# KiCad board sizif128.kicad_pcb (continued)
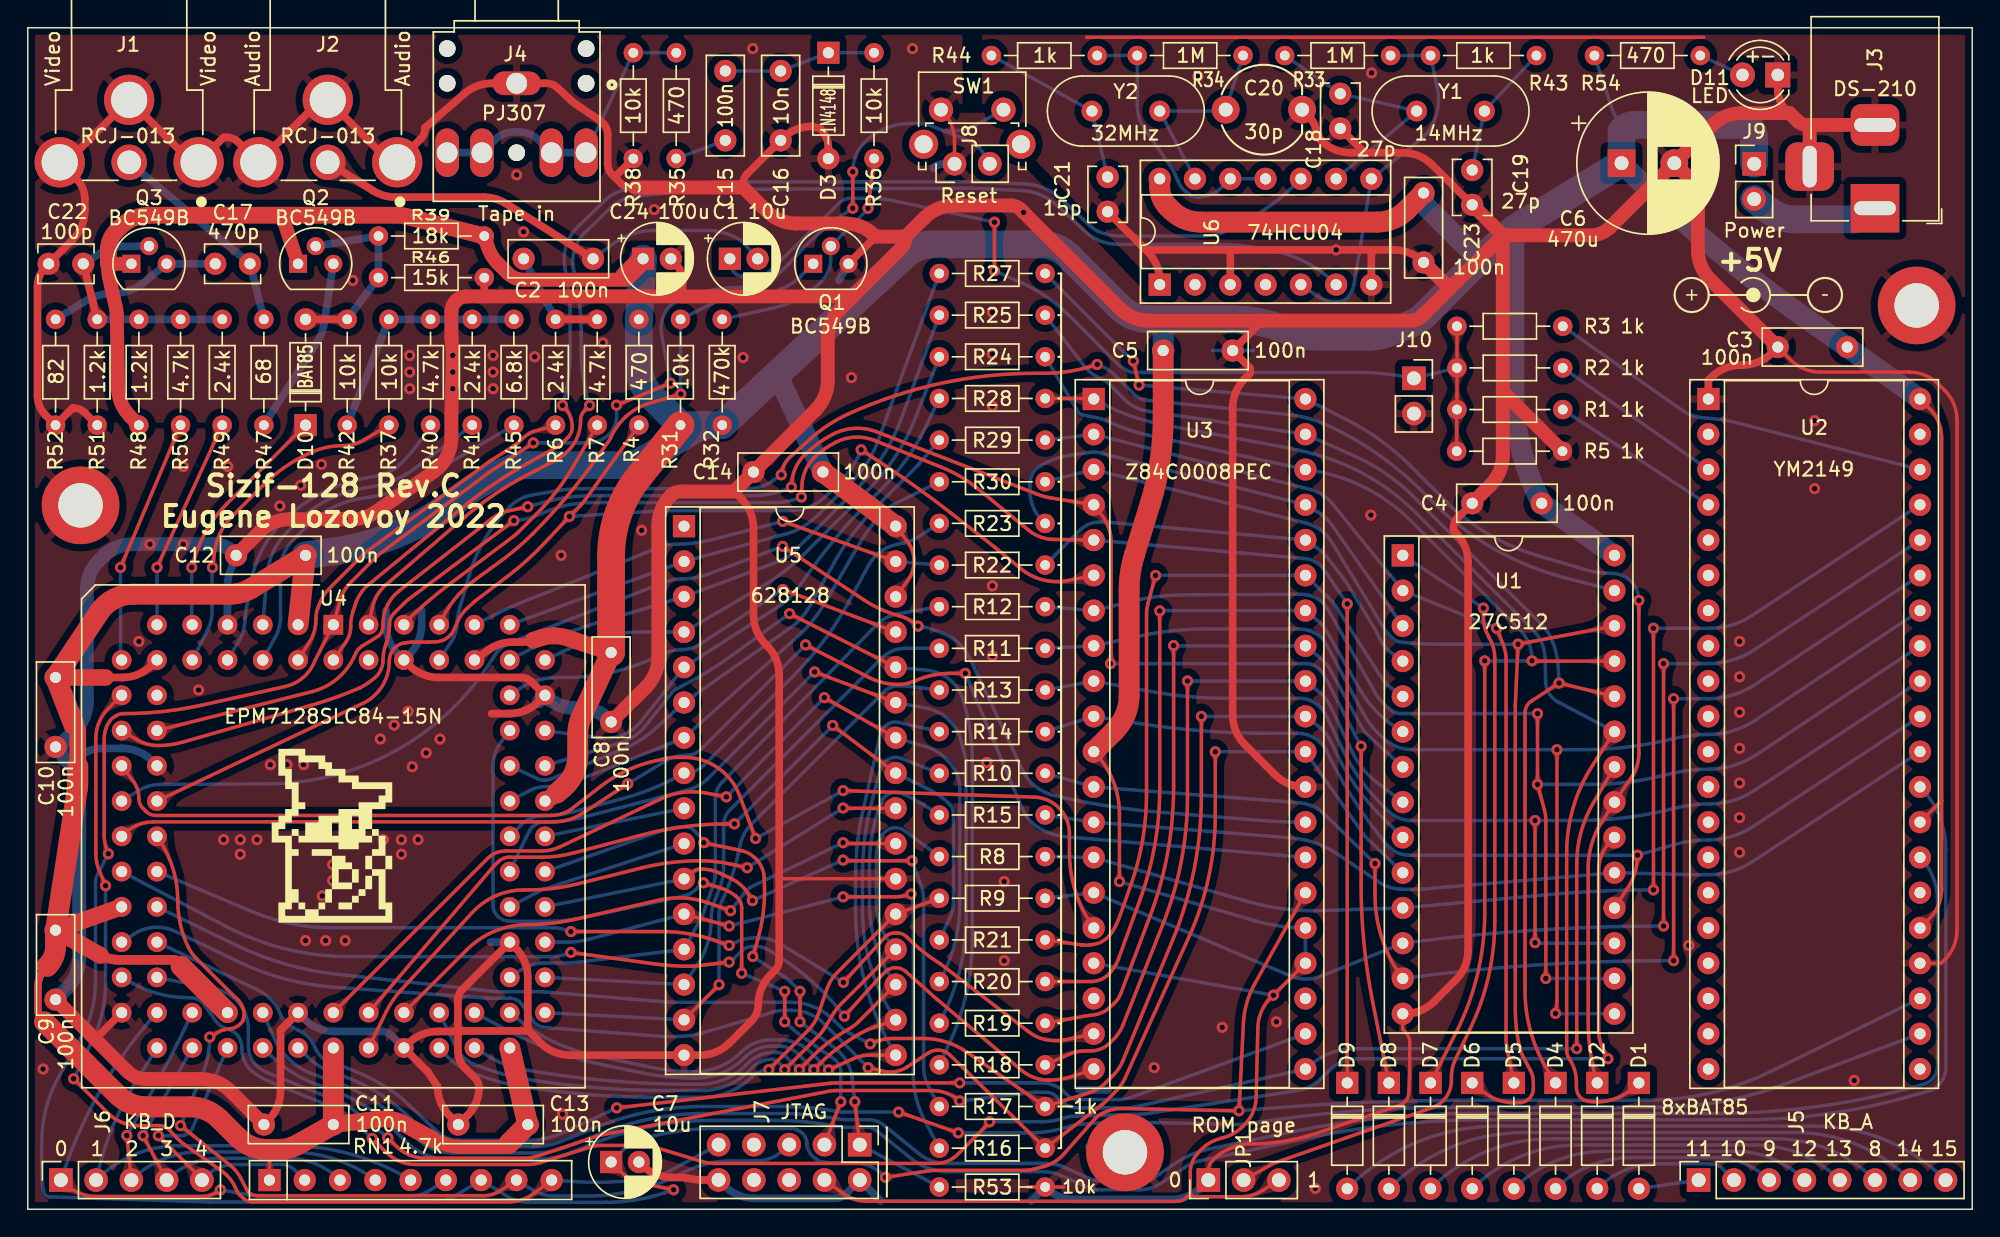
[diagram p0: board, top side]
## Copper pours and planes (outline as drawn; the poured copper is in the pictures) (continued)
+5V on Top: 30.7,70.03 30.95,69.97 31.19,69.91 31.41,69.86 31.62,69.82 31.81,69.78 31.97,69.74 32.12,69.7 32.25,69.66 32.35,69.61 32.42,69.56 33.21,70.01 32.73,70.79 32.64,70.78 32.53,70.79 32.4,70.81 32.25,70.84 32.08,70.89 31.9,70.94 31.7,71 31.48,71.06 31.24,71.13 30.99,71.19
+5V on Top: 63.94,46.6 63.93,46.96 63.88,47.26 63.81,47.52 63.72,47.74 63.61,47.95 63.51,48.14 63.42,48.35 63.35,48.58 63.3,48.85 63.29,49.17 62.25,49.52 62.13,48.49 62.66,48.22 62.9,48.1 63.1,47.97 63.28,47.82 63.43,47.66 63.55,47.46 63.63,47.22 63.68,46.94 63.69,46.61
+5V on Top: 4.39,38.9 4.1,38.9 3.84,38.89 3.39,38.87 3.19,38.86 3.01,38.86 2.84,38.88 2.67,38.9 2.51,38.95 2.35,39.02 1.6,38.3 2.35,37.58 2.51,37.65 2.67,37.7 2.84,37.72 3.01,37.74 3.19,37.74 3.39,37.73 3.84,37.71 4.1,37.7 4.39,37.7
+5V on Top: 78.2,31.03 78.08,31.32 77.99,31.56 77.91,31.77 77.85,31.96 77.8,32.13 77.75,32.31 77.7,32.49 77.65,32.68 77.59,32.91 77.52,33.17 76.49,33.26 76.44,32.22 76.67,32.13 76.87,32.05 77.06,31.97 77.22,31.89 77.36,31.8 77.5,31.69 77.62,31.55 77.74,31.39 77.86,31.19 77.97,30.94
+5V on Top: 4.05,21.46 3.78,21.36 3.54,21.27 3.12,21.1 2.94,21.02 2.77,20.97 2.6,20.92 2.44,20.89 2.27,20.89 2.09,20.9 1.62,19.97 2.57,19.54 2.7,19.66 2.84,19.75 2.98,19.84 3.14,19.91 3.31,19.97 3.5,20.03 3.93,20.16 4.18,20.24 4.45,20.33
+5V on Top: 89.05,14.43 89.11,14.55 89.17,14.64 89.24,14.72 89.3,14.79 89.36,14.84 89.43,14.89 89.51,14.93 89.6,14.96 89.7,15 89.81,15.03 89.83,15.55 89.31,15.55 89.26,15.43 89.22,15.32 89.18,15.23 89.14,15.15 89.1,15.07 89.06,14.99 88.82,14.55
+5V on Top: 38.83,31.78 38.69,31.46 38.53,31.18 38.36,30.94 38.18,30.73 37.99,30.55 37.8,30.4 37.62,30.28 37.45,30.19 37.29,30.14 37.15,30.11 36.94,29.21 37.9,29.14 37.99,29.29 38.14,29.43 38.33,29.57 38.55,29.73 38.8,29.9 39.05,30.11 39.3,30.34 39.55,30.62 39.77,30.95 39.95,31.34
+5V on Top: 17.28,4.09 17.27,3.88 17.26,3.69 17.24,3.52 17.22,3.36 17.18,3.23 17.14,3.1 17.08,2.98 17.01,2.87 16.93,2.77 16.83,2.66 17.4,1.7 17.97,2.66 17.87,2.77 17.79,2.87 17.72,2.98 17.66,3.1 17.62,3.23 17.58,3.36 17.56,3.52 17.54,3.69 17.53,3.88 17.53,4.09
+5V on Top: 34.19,68.49 34.03,68.66 33.9,68.82 33.79,68.98 33.7,69.13 33.64,69.27 33.59,69.41 33.56,69.55 33.55,69.7 33.55,69.85 33.56,70 32.76,70.43 32.37,69.61 32.5,69.46 32.6,69.3 32.68,69.14 32.76,68.97 32.83,68.8 32.91,68.62 33,68.43 33.13,68.22 33.28,68.01 33.48,67.79
+5V on Top: 87.33,0.78 87.71,0.79 88.03,0.83 88.31,0.88 88.55,0.94 88.77,1.01 88.98,1.08 89.21,1.15 89.46,1.2 89.74,1.24 90.08,1.25 90.44,2.33 89.36,2.55 89.19,2.27 89.04,2.02 88.9,1.8 88.75,1.6 88.6,1.43 88.42,1.29 88.21,1.17 87.97,1.09 87.68,1.04 87.33,1.03
+5V on Top: 137.83,56.34 137.74,56.65 137.65,56.91 137.57,57.13 137.49,57.32 137.41,57.5 137.33,57.67 137.25,57.85 137.17,58.05 137.09,58.28 137.01,58.56 135.96,58.64 135.98,57.6 136.23,57.52 136.45,57.45 136.66,57.37 136.84,57.3 137.01,57.2 137.16,57.09 137.29,56.95 137.4,56.77 137.5,56.55 137.58,56.27
+5V on Top: 5.81,67.6 6,67.6 6.18,67.61 6.49,67.62 6.63,67.62 6.75,67.62 6.87,67.61 6.97,67.6 7.06,67.57 7.14,67.53 7.78,68.1 7.14,68.67 7.06,68.63 6.97,68.6 6.87,68.59 6.75,68.58 6.63,68.58 6.49,68.58 6.18,68.59 6,68.6 5.81,68.6
+5V on Top: 63.69,46.78 63.68,46.44 63.64,46.15 63.56,45.91 63.44,45.7 63.29,45.53 63.11,45.38 62.9,45.24 62.66,45.11 62.12,44.83 62.25,43.8 63.29,44.16 63.3,44.49 63.34,44.76 63.42,45 63.51,45.21 63.61,45.42 63.72,45.62 63.81,45.85 63.89,46.11 63.93,46.42 63.93,46.79
+5V on Top: 90.38,15.93 90.59,16.14 90.78,16.3 90.95,16.43 91.11,16.53 91.27,16.62 91.43,16.69 91.6,16.75 91.79,16.81 92,16.88 92.25,16.96 92.27,18 91.23,17.98 91.15,17.73 91.08,17.52 91.02,17.33 90.96,17.16 90.89,17 90.8,16.84 90.7,16.68 90.57,16.51 90.41,16.32 90.2,16.11
+5V on Bottom: 89.58,20.36 89.88,20.3 90.12,20.24 90.33,20.18 90.52,20.12 90.68,20.05 90.84,19.97 91,19.88 91.38,19.68 91.62,19.55 92.39,20.25 91.66,20.99 91.43,20.88 91.23,20.79 91.05,20.71 90.88,20.64 90.71,20.59 90.54,20.55 90.36,20.53 90.15,20.54 89.91,20.56 89.63,20.6
+5V on Bottom: 113.57,81.15 113.5,81.4 113.44,81.61 113.41,81.79 113.39,81.95 113.38,82.11 113.39,82.26 113.41,82.42 113.43,82.59 113.46,82.78 113.49,83.01 112.69,83.43 112.3,82.61 112.46,82.45 112.59,82.31 112.72,82.19 112.82,82.07 112.92,81.96 113.01,81.83 113.09,81.69 113.17,81.52 113.25,81.32 113.34,81.08
+5V on Bottom: 79.78,23.39 79.64,23.43 79.52,23.47 79.42,23.51 79.34,23.55 79.26,23.59 79.19,23.63 79.12,23.68 79.04,23.74 78.96,23.81 78.87,23.9 78.41,23.66 78.67,23.21 78.79,23.23 78.9,23.24 78.99,23.25 79.08,23.26 79.16,23.26 79.25,23.25 79.35,23.24 79.45,23.22 79.57,23.19 79.71,23.15
+5V on Bottom: 92.12,17.87 92.12,18.16 92.14,18.41 92.17,18.62 92.21,18.8 92.26,18.97 92.32,19.13 92.4,19.3 92.49,19.48 92.59,19.68 92.71,19.91 91.99,20.66 91.27,19.91 91.39,19.68 91.49,19.48 91.58,19.3 91.66,19.13 91.72,18.97 91.77,18.8 91.81,18.62 91.84,18.41 91.86,18.16 91.87,17.87
+5V on Bottom: 79.12,17.42 78.84,17.48 78.6,17.54 78.4,17.61 78.22,17.68 78.06,17.76 77.92,17.85 77.77,17.96 77.61,18.08 77.43,18.21 77.22,18.37 76.36,17.79 76.97,16.95 77.22,17.02 77.43,17.09 77.62,17.15 77.8,17.19 77.97,17.23 78.14,17.25 78.33,17.26 78.55,17.25 78.79,17.22 79.08,17.18
+5V on Bottom: 91.87,20.11 91.86,19.82 91.84,19.57 91.81,19.36 91.77,19.18 91.72,19.01 91.66,18.85 91.58,18.68 91.49,18.5 91.39,18.3 91.27,18.07 91.99,17.32 92.71,18.07 92.59,18.3 92.49,18.5 92.4,18.68 92.32,18.85 92.26,19.01 92.21,19.18 92.17,19.36 92.14,19.57 92.12,19.82 92.12,20.11
+5V on Bottom: 117.41,73.81 117.15,74.05 116.9,74.27 116.68,74.46 116.48,74.64 116.3,74.8 116.14,74.96 116,75.13 115.88,75.3 115.78,75.48 115.69,75.68 114.39,75.7 114.43,74.4 114.63,74.32 114.82,74.22 115,74.1 115.16,73.96 115.33,73.8 115.5,73.62 115.69,73.43 115.89,73.21 116.12,72.97 116.38,72.72
GND on Top: -0.5,85.6 140.5,85.6 140.5,-0.4 -0.5,-0.4
GND on Bottom: -0.5,-0.4 -0.5,85.6 140.5,85.6 140.5,-0.4
A0 on Top: 71.67,5.77 71.85,5.59 71.99,5.43 72.11,5.28 72.2,5.15 72.28,5.01 72.34,4.87 72.4,4.73 72.45,4.56 72.52,4.38 72.59,4.16 73.5,4.16 73.47,5.06 73.26,5.13 73.07,5.19 72.91,5.25 72.76,5.3 72.62,5.36 72.48,5.43 72.34,5.52 72.19,5.63 72.03,5.78 71.84,5.95
A0 on Top: 62.31,10.02 62.09,10 61.89,9.99 61.72,10 61.57,10.02 61.43,10.06 61.3,10.12 61.18,10.19 61.05,10.28 60.91,10.38 60.76,10.51 60.31,10.25 60.58,9.81 60.79,9.84 60.96,9.86 61.12,9.85 61.27,9.84 61.41,9.81 61.56,9.79 61.72,9.77 61.89,9.75 62.1,9.75 62.34,9.77
A0 on Top: 85.62,31.76 85.63,31.9 85.63,32.03 85.64,32.13 85.65,32.23 85.67,32.31 85.69,32.4 85.72,32.48 85.76,32.57 85.81,32.66 85.86,32.78 85.5,33.15 85.14,32.78 85.19,32.66 85.24,32.57 85.28,32.48 85.31,32.4 85.33,32.31 85.35,32.23 85.36,32.13 85.37,32.03 85.37,31.9 85.38,31.76
A0 on Top: 74.83,5.77 74.63,5.62 74.45,5.5 74.29,5.4 74.14,5.33 73.99,5.28 73.85,5.23 73.69,5.2 73.52,5.17 73.33,5.13 73.11,5.09 72.97,4.19 73.88,4.09 73.98,4.29 74.06,4.46 74.14,4.62 74.21,4.76 74.29,4.89 74.38,5.01 74.49,5.14 74.62,5.27 74.79,5.41 74.99,5.57
A0 on Bottom: 93.47,31.08 93.3,31.32 93.17,31.53 93.08,31.72 93,31.89 92.95,32.06 92.91,32.23 92.88,32.41 92.85,32.61 92.82,32.83 92.78,33.09 91.76,33.29 91.6,32.26 91.83,32.14 92.03,32.03 92.21,31.94 92.36,31.85 92.51,31.75 92.65,31.64 92.79,31.52 92.93,31.36 93.09,31.17 93.26,30.93
A0 on Bottom: 97.19,25.81 97.4,25.6 97.56,25.42 97.7,25.25 97.8,25.09 97.89,24.94 97.96,24.78 98.02,24.61 98.09,24.42 98.16,24.21 98.25,23.96 99.29,23.96 99.25,25 99,25.08 98.78,25.14 98.59,25.2 98.42,25.26 98.26,25.33 98.1,25.41 97.94,25.5 97.77,25.63 97.58,25.79 97.36,25.99
A0 on Bottom: 86.7,33.08 86.55,33.09 86.43,33.09 86.32,33.1 86.23,33.11 86.14,33.13 86.06,33.15 85.97,33.18 85.88,33.22 85.78,33.26 85.67,33.31 85.3,32.95 85.68,32.59 85.79,32.65 85.89,32.7 85.98,32.74 86.06,32.77 86.14,32.79 86.23,32.81 86.33,32.82 86.43,32.83 86.56,32.83 86.7,32.83
A0 on Bottom: 8.97,20.42 8.66,20.38 8.39,20.34 8.16,20.29 7.96,20.23 7.78,20.18 7.6,20.13 7.41,20.07 7.2,20.03 6.97,19.98 6.69,19.95 6.46,19.05 7.37,18.87 7.62,19.3 7.73,19.48 7.85,19.64 7.97,19.78 8.11,19.89 8.28,19.99 8.48,20.07 8.72,20.13 9,20.17
A0 on Bottom: 89.6,32.83 89.89,32.83 90.14,32.81 90.35,32.78 90.53,32.74 90.7,32.69 90.86,32.63 91.03,32.55 91.21,32.46 91.41,32.36 91.64,32.24 92.39,32.96 91.64,33.68 91.41,33.56 91.21,33.46 91.03,33.37 90.86,33.29 90.7,33.23 90.53,33.18 90.35,33.14 90.14,33.11 89.89,33.09 89.6,33.08
A0 on Bottom: 59.57,10.95 59.67,10.85 59.76,10.76 59.82,10.68 59.88,10.6 59.93,10.53 59.97,10.46 60.01,10.38 60.04,10.29 60.08,10.19 60.12,10.07 60.64,10.06 60.63,10.58 60.51,10.62 60.41,10.66 60.32,10.69 60.24,10.73 60.17,10.77 60.1,10.82 60.02,10.88 59.94,10.94 59.85,11.03 59.75,11.13
A1 on Top: 84.62,34.31 84.63,34.45 84.63,34.58 84.64,34.68 84.65,34.78 84.67,34.86 84.69,34.95 84.72,35.03 84.76,35.12 84.81,35.21 84.86,35.33 84.5,35.7 84.14,35.33 84.19,35.21 84.24,35.12 84.28,35.03 84.31,34.95 84.33,34.86 84.35,34.78 84.36,34.68 84.37,34.58 84.37,34.45 84.38,34.31
A1 on Top: 71.46,8.49 71.67,8.34 71.84,8.21 71.98,8.08 72.09,7.96 72.19,7.84 72.27,7.72 72.35,7.58 72.44,7.43 72.53,7.26 72.64,7.06 73.54,7.2 73.36,8.09 73.13,8.12 72.94,8.15 72.77,8.18 72.61,8.21 72.47,8.24 72.32,8.29 72.17,8.36 72,8.44 71.82,8.55 71.61,8.7
A1 on Top: 75.21,8.14 74.96,8.07 74.75,8.02 74.57,7.99 74.4,7.97 74.25,7.97 74.1,7.98 73.94,8 73.77,8.02 73.58,8.06 73.35,8.09 72.92,7.3 73.73,6.89 73.89,7.05 74.03,7.18 74.16,7.3 74.28,7.41 74.4,7.5 74.52,7.59 74.67,7.67 74.84,7.74 75.04,7.82 75.28,7.9
A1 on Bottom: 11.27,20.96 11.04,21.08 10.85,21.19 10.69,21.29 10.56,21.4 10.44,21.5 10.33,21.62 10.23,21.74 10.12,21.88 10,22.04 9.86,22.22 8.98,21.93 9.3,21.07 9.53,21.07 9.73,21.07 9.91,21.08 10.07,21.07 10.22,21.06 10.38,21.03 10.54,20.99 10.72,20.93 10.93,20.85 11.16,20.74
A1 on Bottom: 85.69,35.62 85.55,35.63 85.42,35.63 85.32,35.64 85.22,35.65 85.14,35.67 85.05,35.69 84.97,35.72 84.88,35.76 84.79,35.81 84.67,35.86 84.3,35.5 84.67,35.14 84.79,35.19 84.88,35.24 84.97,35.28 85.05,35.31 85.14,35.33 85.22,35.35 85.32,35.36 85.42,35.37 85.55,35.37 85.69,35.38
A1 on Bottom: 59.54,12.34 59.67,12.28 59.77,12.22 59.86,12.16 59.94,12.11 60.01,12.05 60.07,11.99 60.13,11.93 60.19,11.85 60.26,11.77 60.33,11.67 60.83,11.82 60.66,12.31 60.54,12.31 60.43,12.32 60.34,12.32 60.25,12.34 60.17,12.35 60.08,12.38 59.99,12.41 59.89,12.45 59.78,12.5 59.65,12.56
A1 on Bottom: 94,33.58 93.86,33.9 93.72,34.17 93.59,34.39 93.47,34.57 93.34,34.74 93.22,34.91 93.1,35.09 92.98,35.28 92.86,35.52 92.73,35.8 91.67,35.74 91.83,34.72 92.11,34.66 92.37,34.61 92.6,34.56 92.82,34.5 93.01,34.42 93.18,34.32 93.35,34.18 93.49,34 93.63,33.77 93.77,33.49
A1 on Bottom: 96.37,29.3 96.67,28.95 96.93,28.65 97.16,28.39 97.35,28.16 97.53,27.95 97.68,27.72 97.83,27.49 97.96,27.21 98.1,26.89 98.25,26.51 99.29,26.5 99.26,27.54 98.87,27.67 98.55,27.8 98.27,27.92 98.02,28.05 97.79,28.2 97.57,28.37 97.35,28.57 97.12,28.82 96.86,29.11 96.56,29.46
A1 on Bottom: 89.6,35.38 89.89,35.37 90.14,35.35 90.35,35.32 90.53,35.28 90.7,35.23 90.86,35.17 91.03,35.09 91.21,35 91.41,34.9 91.64,34.78 92.39,35.5 91.64,36.22 91.41,36.1 91.21,36 91.03,35.91 90.86,35.83 90.7,35.77 90.53,35.72 90.35,35.68 90.14,35.65 89.89,35.63 89.6,35.62
A2 on Top: 83.62,36.86 83.63,37 83.63,37.13 83.64,37.23 83.65,37.33 83.67,37.41 83.69,37.5 83.72,37.58 83.76,37.67 83.81,37.76 83.86,37.88 83.5,38.25 83.14,37.88 83.19,37.76 83.24,37.67 83.28,37.58 83.31,37.5 83.33,37.41 83.35,37.33 83.36,37.23 83.37,37.13 83.37,37 83.38,36.86
A2 on Top: 76.29,11.52 75.87,11.53 75.52,11.5 75.22,11.45 74.96,11.39 74.72,11.31 74.48,11.24 74.23,11.18 73.96,11.13 73.65,11.1 73.28,11.1 72.93,10.26 73.78,9.95 74.01,10.22 74.22,10.46 74.41,10.66 74.6,10.84 74.8,10.99 75.02,11.11 75.27,11.19 75.55,11.25 75.89,11.28 76.28,11.27
A2 on Bottom: 94.01,36.06 93.87,36.39 93.73,36.66 93.6,36.88 93.48,37.07 93.35,37.25 93.23,37.42 93.1,37.6 92.98,37.8 92.86,38.04 92.74,38.33 91.68,38.29 91.82,37.26 92.11,37.2 92.37,37.14 92.61,37.09 92.82,37.02 93.01,36.94 93.19,36.83 93.35,36.69 93.5,36.5 93.64,36.26 93.77,35.97
A2 on Bottom: 89.6,37.91 89.89,37.91 90.14,37.89 90.35,37.86 90.53,37.82 90.7,37.77 90.86,37.71 91.03,37.63 91.21,37.54 91.41,37.44 91.64,37.32 92.39,38.04 91.64,38.76 91.41,38.64 91.21,38.54 91.03,38.45 90.86,38.37 90.7,38.31 90.53,38.26 90.35,38.22 90.14,38.19 89.89,38.17 89.6,38.16
A2 on Bottom: 84.7,38.16 84.56,38.17 84.43,38.17 84.33,38.18 84.23,38.19 84.14,38.21 84.06,38.23 83.98,38.26 83.89,38.3 83.79,38.35 83.68,38.41 83.3,38.06 83.67,37.69 83.78,37.74 83.88,37.78 83.97,37.82 84.06,37.85 84.14,37.87 84.23,37.89 84.32,37.9 84.43,37.91 84.55,37.91 84.7,37.91
A2 on Bottom: 95.96,31.74 96.28,31.35 96.56,31.04 96.82,30.77 97.05,30.55 97.27,30.34 97.48,30.14 97.68,29.92 97.87,29.66 98.08,29.34 98.29,28.96 99.32,29.08 99.16,30.1 98.74,30.19 98.37,30.27 98.05,30.36 97.76,30.47 97.5,30.59 97.24,30.75 96.99,30.95 96.74,31.2 96.46,31.51 96.16,31.89
A3 on Top: 82.62,39.41 82.63,39.55 82.63,39.68 82.64,39.78 82.65,39.88 82.67,39.96 82.69,40.05 82.72,40.13 82.76,40.22 82.81,40.31 82.86,40.43 82.5,40.8 82.14,40.43 82.19,40.31 82.24,40.22 82.28,40.13 82.31,40.05 82.33,39.96 82.35,39.88 82.36,39.78 82.37,39.68 82.37,39.55 82.38,39.41
A3 on Top: 75.29,13.89 75.03,13.85 74.82,13.83 74.63,13.82 74.47,13.82 74.31,13.84 74.17,13.87 74.01,13.91 73.85,13.95 73.66,14.01 73.44,14.07 72.91,13.34 73.66,12.83 73.84,12.97 74,13.09 74.14,13.19 74.27,13.28 74.4,13.36 74.54,13.43 74.69,13.49 74.87,13.54 75.08,13.59 75.33,13.64
A3 on Bottom: 83.7,40.7 83.56,40.71 83.43,40.71 83.33,40.72 83.23,40.73 83.15,40.75 83.07,40.77 82.98,40.8 82.9,40.84 82.8,40.89 82.69,40.95 82.3,40.61 82.66,40.23 82.77,40.28 82.87,40.32 82.97,40.36 83.05,40.39 83.14,40.41 83.22,40.43 83.32,40.44 83.43,40.45 83.55,40.45 83.7,40.45
A3 on Bottom: 94.08,38.48 93.94,38.82 93.8,39.11 93.66,39.34 93.53,39.54 93.39,39.72 93.26,39.9 93.13,40.09 93,40.3 92.87,40.55 92.74,40.86 91.68,40.83 91.81,39.8 92.11,39.73 92.39,39.67 92.64,39.61 92.86,39.53 93.07,39.44 93.25,39.32 93.42,39.16 93.57,38.96 93.72,38.7 93.85,38.39
A3 on Bottom: 97.14,33.37 97.36,33.17 97.53,32.99 97.67,32.83 97.78,32.68 97.87,32.52 97.94,32.37 98.01,32.2 98.08,32.01 98.16,31.8 98.26,31.56 99.3,31.59 99.22,32.63 98.97,32.7 98.76,32.76 98.56,32.81 98.39,32.86 98.23,32.92 98.07,33 97.9,33.09 97.73,33.21 97.53,33.36 97.31,33.56
A3 on Bottom: 89.6,40.45 89.89,40.45 90.14,40.43 90.35,40.4 90.53,40.36 90.7,40.31 90.86,40.25 91.03,40.17 91.21,40.08 91.41,39.98 91.64,39.86 92.39,40.58 91.64,41.3 91.41,41.18 91.21,41.08 91.03,40.99 90.86,40.91 90.7,40.85 90.53,40.8 90.35,40.76 90.14,40.73 89.89,40.71 89.6,40.7
A4 on Top: 81.62,41.91 81.63,42.05 81.63,42.18 81.64,42.28 81.65,42.38 81.67,42.46 81.69,42.55 81.72,42.63 81.76,42.72 81.81,42.81 81.86,42.93 81.5,43.3 81.14,42.93 81.19,42.81 81.24,42.72 81.28,42.63 81.31,42.55 81.33,42.46 81.35,42.38 81.36,42.28 81.37,42.18 81.37,42.05 81.38,41.91
A4 on Top: 75.34,16.52 75.08,16.53 74.87,16.54 74.68,16.57 74.52,16.6 74.37,16.64 74.23,16.7 74.09,16.76 73.93,16.84 73.76,16.93 73.56,17.03 72.9,16.4 73.56,15.77 73.76,15.87 73.93,15.96 74.09,16.04 74.23,16.1 74.37,16.16 74.52,16.2 74.68,16.23 74.87,16.26 75.08,16.27 75.34,16.27
A4 on Bottom: 97.01,35.78 97.22,35.55 97.39,35.36 97.54,35.19 97.66,35.04 97.76,34.89 97.86,34.74 97.96,34.58 98.18,34.21 98.32,33.98 99.34,34.19 99.09,35.19 98.84,35.22 98.62,35.24 98.42,35.26 98.24,35.29 98.07,35.34 97.91,35.4 97.75,35.48 97.58,35.6 97.39,35.75 97.19,35.95
A4 on Bottom: 82.7,43.24 82.55,43.25 82.43,43.25 82.32,43.26 82.22,43.27 82.14,43.29 82.05,43.31 81.97,43.34 81.87,43.38 81.77,43.42 81.66,43.47 81.3,43.09 81.69,42.75 81.8,42.81 81.9,42.86 81.98,42.9 82.07,42.93 82.15,42.95 82.23,42.97 82.33,42.98 82.43,42.99 82.56,42.99 82.7,42.99
A4 on Bottom: 93.75,41.47 93.6,41.74 93.47,41.97 93.36,42.16 93.27,42.34 93.18,42.5 93.1,42.66 93.02,42.82 92.93,43 92.83,43.21 92.71,43.46 91.68,43.37 91.81,42.34 92.05,42.29 92.27,42.24 92.46,42.2 92.64,42.15 92.81,42.09 92.96,42.01 93.11,41.91 93.25,41.77 93.39,41.58 93.53,41.35
A4 on Bottom: 89.6,42.99 89.89,42.99 90.14,42.97 90.35,42.94 90.53,42.9 90.7,42.85 90.86,42.79 91.03,42.71 91.21,42.62 91.41,42.52 91.64,42.4 92.39,43.12 91.64,43.84 91.41,43.72 91.21,43.62 91.03,43.53 90.86,43.45 90.7,43.39 90.53,43.34 90.35,43.3 90.14,43.27 89.89,43.25 89.6,43.24
A5 on Top: 81.01,44.47 81.05,44.61 81.09,44.73 81.12,44.83 81.16,44.91 81.2,44.99 81.24,45.06 81.29,45.14 81.35,45.21 81.42,45.29 81.5,45.39 81.25,45.84 80.81,45.58 80.83,45.45 80.85,45.35 80.86,45.25 80.87,45.16 80.87,45.08 80.86,44.99 80.85,44.9 80.83,44.79 80.8,44.67 80.77,44.53
A5 on Top: 75.34,19.24 75.09,19.28 74.87,19.32 74.69,19.37 74.54,19.43 74.4,19.49 74.26,19.56 74.13,19.65 73.99,19.75 73.82,19.86 73.64,19.98 72.9,19.45 73.47,18.73 73.68,18.81 73.87,18.87 74.03,18.93 74.18,18.97 74.33,19.01 74.48,19.03 74.65,19.04 74.83,19.04 75.05,19.03 75.3,19
A5 on Bottom: 93.8,44.09 93.59,44.3 93.43,44.48 93.29,44.65 93.19,44.81 93.1,44.96 93.03,45.12 92.97,45.29 92.9,45.48 92.83,45.69 92.74,45.94 91.7,45.94 91.74,44.9 91.99,44.82 92.21,44.76 92.4,44.7 92.57,44.64 92.73,44.57 92.89,44.49 93.05,44.4 93.22,44.27 93.41,44.11 93.62,43.91
A5 on Bottom: 89.6,45.53 89.89,45.53 90.14,45.51 90.35,45.48 90.53,45.44 90.7,45.39 90.86,45.33 91.03,45.25 91.21,45.16 91.41,45.06 91.64,44.94 92.39,45.66 91.64,46.38 91.41,46.26 91.21,46.16 91.03,46.07 90.86,45.99 90.7,45.93 90.53,45.88 90.35,45.84 90.14,45.81 89.89,45.79 89.6,45.78
A5 on Bottom: 97.18,38.51 97.34,38.25 97.48,38.03 97.6,37.84 97.7,37.67 97.79,37.51 97.87,37.35 97.96,37.19 98.17,36.8 98.29,36.56 99.32,36.7 99.14,37.73 98.9,37.77 98.68,37.8 98.49,37.84 98.31,37.88 98.14,37.93 97.99,38.01 97.84,38.11 97.69,38.25 97.54,38.42 97.39,38.65
A5 on Bottom: 82.4,45.78 82.25,45.79 82.13,45.79 82.02,45.8 81.93,45.81 81.84,45.83 81.76,45.85 81.67,45.88 81.58,45.92 81.48,45.96 81.37,46.01 81,45.65 81.38,45.29 81.49,45.35 81.59,45.4 81.68,45.44 81.76,45.47 81.84,45.49 81.93,45.51 82.03,45.52 82.13,45.53 82.26,45.53 82.4,45.53
A6 on Bottom: 74.64,47.97 74.46,47.79 74.29,47.65 74.15,47.53 74.01,47.44 73.87,47.37 73.73,47.31 73.59,47.25 73.42,47.2 73.23,47.13 73.02,47.06 73,46.15 73.91,46.17 73.98,46.38 74.05,46.57 74.1,46.74 74.16,46.88 74.22,47.02 74.29,47.16 74.38,47.3 74.5,47.44 74.64,47.61 74.82,47.79
A6 on Bottom: 93.89,46.72 93.7,46.97 93.55,47.18 93.42,47.36 93.31,47.52 93.22,47.67 93.12,47.83 93.03,47.99 92.82,48.37 92.68,48.6 91.66,48.42 91.88,47.41 92.12,47.38 92.34,47.35 92.54,47.32 92.72,47.29 92.88,47.24 93.04,47.17 93.2,47.08 93.35,46.95 93.52,46.78 93.69,46.57
A6 on Bottom: 89.6,48.29 89.89,48.26 90.13,48.22 90.34,48.17 90.52,48.12 90.68,48.05 90.84,47.97 91,47.88 91.17,47.77 91.36,47.65 91.58,47.51 92.39,48.16 91.71,48.95 91.46,48.85 91.26,48.77 91.07,48.7 90.9,48.63 90.73,48.58 90.56,48.55 90.37,48.52 90.16,48.51 89.91,48.52 89.62,48.54
A6 on Bottom: 97.21,41.09 97.36,40.81 97.49,40.58 97.59,40.39 97.95,39.73 98.05,39.55 98.16,39.35 98.29,39.1 99.33,39.25 99.13,40.27 98.89,40.31 98.67,40.34 98.47,40.37 98.3,40.41 98.14,40.47 97.98,40.55 97.84,40.65 97.7,40.79 97.57,40.98 97.43,41.21
A7 on Bottom: 97.52,43.9 97.69,43.66 97.82,43.45 97.91,43.26 97.99,43.09 98.04,42.92 98.08,42.75 98.11,42.57 98.14,42.37 98.17,42.15 98.21,41.89 99.23,41.69 99.39,42.72 99.16,42.84 98.96,42.95 98.78,43.04 98.63,43.13 98.48,43.23 98.34,43.34 98.2,43.46 98.06,43.62 97.9,43.81 97.73,44.05
A7 on Bottom: 93.99,49.38 93.81,49.63 93.65,49.84 93.52,50.02 93.4,50.17 93.17,50.46 93.06,50.6 92.94,50.77 92.81,50.96 92.66,51.18 91.65,50.94 91.92,49.94 92.17,49.93 92.4,49.92 92.6,49.91 92.79,49.9 92.97,49.87 93.13,49.81 93.29,49.73 93.45,49.61 93.61,49.45 93.78,49.23
A7 on Bottom: 89.64,51.2 89.92,51.13 90.16,51.05 90.36,50.97 90.53,50.89 90.68,50.79 90.82,50.69 90.96,50.58 91.11,50.45 91.28,50.3 91.48,50.13 92.38,50.64 91.83,51.52 91.57,51.47 91.35,51.42 91.16,51.37 90.98,51.34 90.81,51.32 90.63,51.31 90.44,51.31 90.23,51.34 89.99,51.38 89.7,51.45
A7 on Bottom: 72.08,51.16 72.13,50.89 72.19,50.67 72.23,50.49 72.28,50.32 72.38,50.02 72.42,49.87 72.47,49.7 72.51,49.5 72.56,49.27 73.48,49.14 73.52,50.04 73.15,50.2 73,50.27 72.85,50.34 72.73,50.42 72.62,50.52 72.53,50.65 72.45,50.8 72.38,50.98 72.33,51.2
A8 on Top: 111.85,39.35 112.14,39.35 112.39,39.33 112.6,39.3 112.78,39.26 112.95,39.21 113.11,39.15 113.28,39.07 113.46,38.98 113.66,38.88 113.89,38.76 114.64,39.48 113.89,40.2 113.66,40.08 113.46,39.98 113.28,39.89 113.11,39.81 112.95,39.75 112.78,39.7 112.6,39.66 112.39,39.63 112.14,39.61 111.85,39.6
A8 on Top: 101.97,11.29 101.83,11.03 101.7,10.82 101.58,10.64 101.46,10.5 101.34,10.37 101.21,10.25 101.07,10.14 100.91,10.02 100.72,9.89 100.52,9.74 100.82,8.74 101.8,9.09 101.8,9.35 101.8,9.57 101.8,9.77 101.81,9.95 101.82,10.13 101.85,10.3 101.9,10.48 101.97,10.68 102.06,10.91 102.19,11.18
A8 on Top: 109.5,39.6 109.36,39.61 109.23,39.61 109.13,39.62 109.03,39.63 108.95,39.65 108.87,39.67 108.78,39.7 108.7,39.74 108.6,39.79 108.49,39.85 108.1,39.51 108.46,39.13 108.57,39.18 108.67,39.22 108.77,39.26 108.85,39.29 108.94,39.31 109.02,39.33 109.12,39.34 109.23,39.35 109.35,39.35 109.5,39.35
A8 on Top: 105.03,38.31 105.03,38.45 105.03,38.58 105.04,38.68 105.05,38.78 105.07,38.86 105.09,38.95 105.12,39.03 105.16,39.12 105.21,39.21 105.26,39.33 104.9,39.7 104.54,39.33 104.59,39.21 104.64,39.12 104.68,39.03 104.71,38.95 104.73,38.86 104.75,38.78 104.76,38.68 104.77,38.58 104.77,38.45 104.78,38.31
A8 on Bottom: 89.63,53.67 89.91,53.6 90.15,53.53 90.35,53.46 90.52,53.38 90.68,53.29 90.82,53.19 90.96,53.08 91.12,52.96 91.29,52.81 91.5,52.65 92.38,53.19 91.8,54.06 91.55,53.99 91.33,53.94 91.14,53.89 90.96,53.85 90.79,53.82 90.61,53.8 90.43,53.8 90.21,53.82 89.97,53.86 89.68,53.91
A8 on Bottom: 107.99,40.64 108.04,40.51 108.07,40.4 108.09,40.3 108.09,40.21 108.09,40.12 108.07,40.04 108.05,39.95 108.02,39.86 107.98,39.77 107.93,39.66 108.31,39.3 108.65,39.69 108.59,39.81 108.54,39.91 108.5,40 108.46,40.09 108.43,40.17 108.39,40.26 108.28,40.58 108.22,40.73
A8 on Bottom: 106.09,39.62 105.95,39.63 105.82,39.63 105.72,39.64 105.62,39.65 105.54,39.67 105.45,39.69 105.37,39.72 105.28,39.76 105.19,39.81 105.07,39.86 104.7,39.5 105.07,39.14 105.19,39.19 105.28,39.24 105.37,39.28 105.45,39.31 105.54,39.33 105.62,39.35 105.72,39.36 105.82,39.37 105.95,39.37 106.09,39.38
A8 on Bottom: 74.43,59.67 74.3,59.89 74.2,60.08 74.13,60.25 74.07,60.41 74.04,60.56 74.01,60.71 73.99,60.87 73.98,61.04 73.97,61.24 73.95,61.46 73.07,61.7 72.87,60.81 73.06,60.69 73.22,60.59 73.37,60.49 73.5,60.4 73.62,60.31 73.73,60.21 73.84,60.08 73.96,59.94 74.08,59.76 74.21,59.54
A8 on Bottom: 94.37,52.89 94.08,52.99 93.84,53.07 93.64,53.16 93.47,53.24 93.31,53.33 93.16,53.43 93.01,53.53 92.66,53.78 92.44,53.94 91.59,53.34 92.23,52.52 92.47,52.59 92.68,52.66 92.87,52.72 93.05,52.77 93.22,52.8 93.39,52.82 93.58,52.81 93.78,52.78 94.02,52.73 94.29,52.65
A8 on Bottom: 107.11,39.38 107.25,39.37 107.38,39.37 107.48,39.36 107.58,39.35 107.66,39.33 107.75,39.31 107.83,39.28 107.92,39.24 108.01,39.19 108.13,39.14 108.5,39.5 108.13,39.86 108.01,39.81 107.92,39.76 107.83,39.72 107.75,39.69 107.66,39.67 107.58,39.65 107.48,39.64 107.38,39.63 107.25,39.63 107.11,39.62
A9 on Top: 108.65,11.2 108.78,10.92 108.88,10.67 108.95,10.46 109.01,10.27 109.06,10.09 109.09,9.91 109.12,9.72 109.15,9.52 109.21,9.01 110.22,8.76 110.42,9.78 110.19,9.92 109.99,10.04 109.81,10.14 109.65,10.25 109.51,10.36 109.38,10.48 109.25,10.63 109.13,10.81 109.01,11.03 108.88,11.3
A9 on Top: 111.89,37.38 112.17,37.3 112.41,37.23 112.6,37.15 112.77,37.07 112.93,36.98 113.07,36.88 113.21,36.76 113.36,36.64 113.53,36.49 113.73,36.32 114.63,36.85 114.07,37.72 113.82,37.66 113.6,37.61 113.4,37.56 113.22,37.53 113.05,37.5 112.88,37.49 112.69,37.49 112.48,37.52 112.23,37.56 111.95,37.62
A9 on Top: 109.32,37.14 109.44,37.22 109.55,37.29 109.64,37.34 109.73,37.38 109.81,37.41 109.89,37.43 109.98,37.45 110.07,37.47 110.18,37.49 110.3,37.5 110.42,38.01 109.91,38.11 109.84,38 109.79,37.91 109.73,37.83 109.68,37.76 109.62,37.69 109.56,37.63 109.49,37.57 109.41,37.5 109.31,37.43 109.19,37.35
A9 on Bottom: 74.62,62.82 74.47,63.02 74.35,63.2 74.26,63.37 74.18,63.51 74.13,63.66 74.09,63.8 74.05,63.96 74.02,64.13 73.98,64.32 73.94,64.54 73.04,64.68 72.94,63.77 73.14,63.67 73.32,63.59 73.47,63.51 73.61,63.44 73.74,63.36 73.87,63.27 73.99,63.16 74.12,63.03 74.27,62.87 74.43,62.67
A9 on Bottom: 109.97,39.8 110.02,39.56 110.06,39.36 110.08,39.18 110.1,39.01 110.1,38.86 110.09,38.72 110.06,38.57 110.02,38.42 109.96,38.25 109.88,38.06 110.26,37.7 110.6,38.09 110.51,38.28 110.44,38.45 110.39,38.6 110.36,38.75 110.34,38.89 110.32,39.04 110.31,39.21 110.29,39.39 110.26,39.6 110.22,39.85
A9 on Bottom: 89.61,56.04 89.9,55.99 90.14,55.94 90.34,55.88 90.52,55.82 90.68,55.74 90.83,55.65 90.98,55.55 91.14,55.44 91.33,55.31 91.54,55.16 92.39,55.76 91.75,56.58 91.5,56.5 91.29,56.43 91.1,56.37 90.92,56.31 90.76,56.27 90.58,56.24 90.39,56.23 90.18,56.23 89.93,56.25 89.64,56.29
